# Altium PCB Powerbank.PcbDoc (part 1 of 2) (continued)
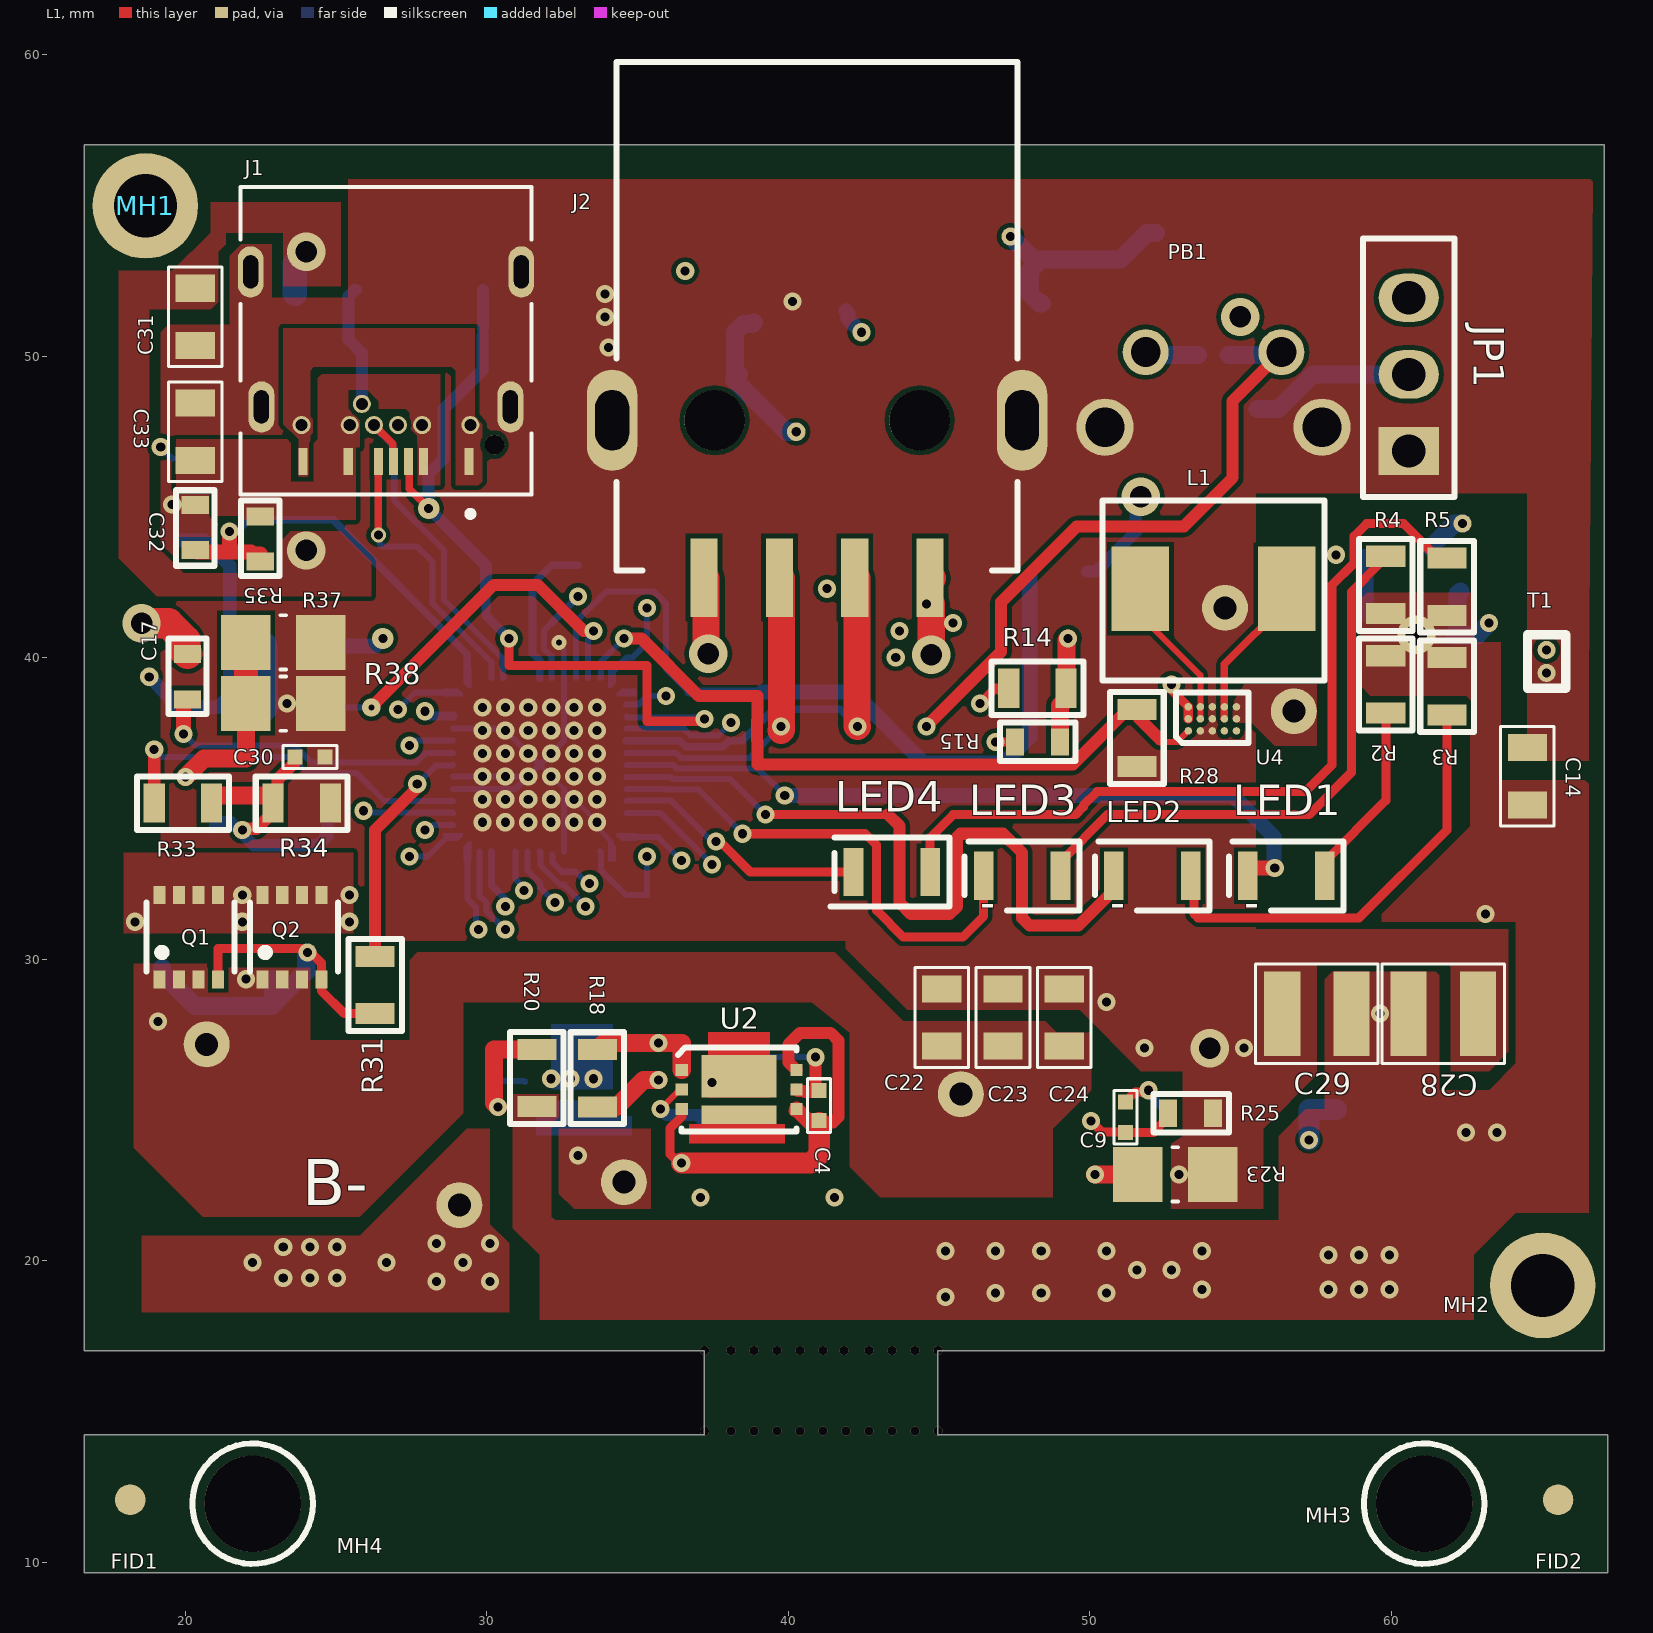
[diagram p0: L1 view]
## Part data (continued)
R12 R19: library part ERJ8CWFR020V, "PANASONIC - ERJ8CWFR020V - SMD Current Sense Resistors, AEC-Q200 ERJ Series, 0.02 ohm, 1 W, - 1% RoHS Compliant: Yes", Case/Package=1206, Case Code (Metric)=3216, Manufacturer 1=Panasonic, Max Operating Temperature=155°C, Max Power Dissipation=1W, Min Operating Temperature=-55°C, Resistance=20mR, Supplier Part Number 1=P0.02BVCT-ND, Temperature Coefficient=75ppm/°C, Tolerance=1%, Case Code (Imperial)=1206, ComponentLink1Description=https://datasheet.ciiva.com/25608/0900766b81107548-25608662.pdf?src-supplier=RSComponents, ComponentLink1URL=https://datasheet.ciiva.com/25608/0900766b81107548-25608662.pdf?src-supplier=RSComponents, ComponentLink2Description=https://datasheet.ciiva.com/7942/1790602-7942325.pdf?src-supplier=Element14, ComponentLink2URL=https://datasheet.ciiva.com/7942/1790602-7942325.pdf?src-supplier=Element14, ComponentLink3Description=https://datasheet.ciiva.com/48532/erj8cw-eng-tds-48532710.pdf?src-supplier=Distrelec, ComponentLink3URL=https://datasheet.ciiva.com/48532/erj8cw-eng-tds-48532710.pdf?src-supplier=Distrelec, ComponentLink4Description=https://datasheet.ciiva.com/6028/1790602-6028444.pdf?src-supplier=Farnell, ComponentLink4URL=https://datasheet.ciiva.com/6028/1790602-6028444.pdf?src-supplier=Farnell, Composition="Thick Film", Depth=1.6mm, Features="Automotive AEC-Q200", Height=0.03inch, Lead Free="Lead Free", Length=0.126inch, Manufacturer Part Number 1=ERJ8CWFR020V, Mount="Surface Mount", Number of Terminations=2, Packaging="Cut Tape", Power Rating=1W, Pricing 1="1=0.59000, 10=0.45200, 100=0.19000, 1000=0.10482, 2500=0.09826 (USD)", REACH SVHC="No SVHC", RoHS=Yes, Stock 1=13226, Supplier 1=Digi-Key, Termination=Flat, Width=0.063inch
R13 R20: library part "680Ohm 1/8 watt", "PANASONIC ELECTRONIC COMPONENTS         ERJ6ENF6800V            Surface Mount Chip Resistor, Thick Film, AEC-Q200 ERJ6E Series, 680 ohm, 125 mW,  1%, 150 V", Case/Package=0805, Case Code (Metric)=2012, Manufacturer 1=Panasonic, Manufacturer Part Number 1=ERJ6ENF6800V, Max Operating Temperature=155°C, Max Power Dissipation=125mW, Min Operating Temperature=-55°C, Package Quantity=1, Resistance=680R, Supplier Part Number 1=P680CCT-ND, Temperature Coefficient=100ppm/°C, Tolerance=1%, Voltage Rating=150V, Case Code (Imperial)=0805, ComponentLink1Description=https://datasheet.ciiva.com/11821/0900766b80f80784-11821688.pdf?src-supplier=RSComponents, ComponentLink1URL=https://datasheet.ciiva.com/11821/0900766b80f80784-11821688.pdf?src-supplier=RSComponents, ComponentLink2Description=https://datasheet.ciiva.com/7944/426256-7944661.pdf?src-supplier=Element14, ComponentLink2URL=https://datasheet.ciiva.com/7944/426256-7944661.pdf?src-supplier=Element14, ComponentLink3Description=https://datasheet.ciiva.com/16787/70260748-16787589.pdf?src-supplier=Allied+Electronics, ComponentLink3URL=https://datasheet.ciiva.com/16787/70260748-16787589.pdf?src-supplier=Allied+Electronics, ComponentLink4Description=https://datasheet.ciiva.com/17205/aoa0000ce2-17205287.pdf?src-supplier=Avnet+Europe, ComponentLink4URL=https://datasheet.ciiva.com/17205/aoa0000ce2-17205287.pdf?src-supplier=Avnet+Europe, ComponentLink5Description=https://datasheet.ciiva.com/7944/426256-7944953.pdf?src-supplier=Element14, ComponentLink5URL=https://datasheet.ciiva.com/7944/426256-7944953.pdf?src-supplier=Element14, ComponentLink6Description=https://datasheet.ciiva.com/5860/426256-5860698.pdf?src-supplier=Farnell, ComponentLink6URL=https://datasheet.ciiva.com/5860/426256-5860698.pdf?src-supplier=Farnell, ComponentLink7Description=https://datasheet.ciiva.com/16512/aoa0000ce2-16512058.pdf?src-supplier=Avnet+Asia, ComponentLink7URL=https://datasheet.ciiva.com/16512/aoa0000ce2-16512058.pdf?src-supplier=Avnet+Asia, ComponentLink8Description=https://datasheet.ciiva.com/9180/aoa0000ce2-9180429.pdf?src-supplier=Avnet, ComponentLink8URL=https://datasheet.ciiva.com/9180/aoa0000ce2-9180429.pdf?src-supplier=Avnet, ComponentLink9Description=https://datasheet.ciiva.com/16757/70260748-16757933.pdf?src-supplier=Allied+Electronics, ComponentLink9URL=https://datasheet.ciiva.com/16757/70260748-16757933.pdf?src-supplier=Allied+Electronics, ComponentLink10Description=https://datasheet.ciiva.com/30107/aoa0000ce2-30107005.pdf?src-supplier=Onlinecomponents.com, ComponentLink10URL=https://datasheet.ciiva.com/30107/aoa0000ce2-30107005.pdf?src-supplier=Onlinecomponents.com, ComponentLink11Description=https://datasheet.ciiva.com/46373/1678782-46373886.pdf?src-supplier=Element14, ComponentLink11URL=https://datasheet.ciiva.com/46373/1678782-46373886.pdf?src-supplier=Element14, ComponentLink12Description=https://datasheet.ciiva.com/46373/1678782-46373887.pdf?src-supplier=Element14, ComponentLink12URL=https://datasheet.ciiva.com/46373/1678782-46373887.pdf?src-supplier=Element14, Composition="Thick Film", Contact Plating=Tin, Depth=1.25mm, Features="Automotive AEC-Q200", Height=0.6mm, Length=2mm, Military Standard=Not, Mount="Surface Mount", Number of Pins=2, Number of Terminations=2, Packaging="Tape and Reel", Power Rating=125mW, Pricing 1="1=0.10000, 10=0.07200, 100=0.02750, 1000=0.01210, 2500=0.01045 (USD)", Radiation Hardening=No, REACH SVHC="No SVHC", RoHS=Yes, Stock 1=52236, Supplier 1=Digi-Key, Termination=SMD/SMT, Width=0.049inch
R14: library part RC0805FR-0710KL, "RES SMD 10K OHM 1% 1/8W 0805", Case/Package=0805, Case Code (Metric)=2012, Manufacturer 1=Yageo, Max Operating Temperature=155°C, Max Power Dissipation=125mW, Min Operating Temperature=-55°C, Package Quantity=1, Resistance=10kR, Supplier Part Number 1=311-10.0KCRCT-ND, Temperature Coefficient=100ppm/°C, Tolerance=1%, Voltage Rating=150V, Case Code (Imperial)=0805, ComponentLink1Description=https://datasheet.ciiva.com/11808/0900766b8106beab-11808151.pdf?src-supplier=RSComponents, ComponentLink1URL=https://datasheet.ciiva.com/11808/0900766b8106beab-11808151.pdf?src-supplier=RSComponents, ComponentLink2Description=https://datasheet.ciiva.com/12669/rc0805-12669688.pdf?src-supplier=Mouser, ComponentLink2URL=https://datasheet.ciiva.com/12669/rc0805-12669688.pdf?src-supplier=Mouser, ComponentLink3Description=https://datasheet.ciiva.com/46447/444164-46447563.pdf?src-supplier=Element14, ComponentLink3URL=https://datasheet.ciiva.com/46447/444164-46447563.pdf?src-supplier=Element14, ComponentLink4Description=https://datasheet.ciiva.com/2456/pyu-r-int-thick-7-2456972.pdf?src-supplier=Digi-Key, ComponentLink4URL=https://datasheet.ciiva.com/2456/pyu-r-int-thick-7-2456972.pdf?src-supplier=Digi-Key, ComponentLink5Description=https://datasheet.ciiva.com/2456/pyu-r-int-thick-7-2456973.pdf?src-supplier=Digi-Key, ComponentLink5URL=https://datasheet.ciiva.com/2456/pyu-r-int-thick-7-2456973.pdf?src-supplier=Digi-Key, ComponentLink6Description=https://datasheet.ciiva.com/2456/pyu-r-int-thick-7-2456974.pdf?src-supplier=Digi-Key, ComponentLink6URL=https://datasheet.ciiva.com/2456/pyu-r-int-thick-7-2456974.pdf?src-supplier=Digi-Key, ComponentLink7Description=https://datasheet.ciiva.com/16747/rc0805-16747087.pdf?src-supplier=Future+Electronics, ComponentLink7URL=https://datasheet.ciiva.com/16747/rc0805-16747087.pdf?src-supplier=Future+Electronics, Composition="Thick Film", Depth=1.25mm, Features="Moisture Resistant", Height=0.024inch, Lead Free="Lead Free", Length=2mm, Manufacturer Part Number 1=RC0805FR-0710KL, Military Standard=Not, Number of Terminations=2, Packaging="Tape and Reel", Power Rating=125mW, Pricing 1="1=0.10000, 10=0.04200, 100=0.01700, 1000=0.00762, 2500=0.00662 (USD)", REACH SVHC=Unknown, RoHS=Yes, Stock 1=38785407, Supplier 1=Digi-Key, Termination=SMD/SMT, Width=0.049inch
R22 R23 R37 R38: library part ERJ-8BWFR010V, "PANASONIC - ERJ-8BWFR010V - SMD Current Sense Resistor, 0.01 ohm, ERJ8B Series, 1206 [3216 Metric], 1 W, ± 1%, Thick Film", Case/Package=1206, Case Code (Metric)=3216, Manufacturer 1=Panasonic, Max Operating Temperature=155°C, Max Power Dissipation=1W, Min Operating Temperature=-55°C, Package Quantity=1, Resistance=10mR, Supplier Part Number 1=P.010AUCT-ND, Temperature Coefficient=200ppm/°C, Tolerance=1%, Case Code (Imperial)=1206, ComponentLink1Description=https://datasheet.ciiva.com/11811/0900766b8126441d-11811746.pdf?src-supplier=RSComponents, ComponentLink1URL=https://datasheet.ciiva.com/11811/0900766b8126441d-11811746.pdf?src-supplier=RSComponents, ComponentLink2Description=https://datasheet.ciiva.com/9194/aoa0000ce3-9194119.pdf?src-supplier=Avnet, ComponentLink2URL=https://datasheet.ciiva.com/9194/aoa0000ce3-9194119.pdf?src-supplier=Avnet, ComponentLink3Description=https://datasheet.ciiva.com/30095/6aoa0000ce3-30095514.pdf?src-supplier=Onlinecomponents.com, ComponentLink3URL=https://datasheet.ciiva.com/30095/6aoa0000ce3-30095514.pdf?src-supplier=Onlinecomponents.com, ComponentLink4Description=https://datasheet.ciiva.com/48532/erj-eng-tds-48532746.pdf?src-supplier=Distrelec, ComponentLink4URL=https://datasheet.ciiva.com/48532/erj-eng-tds-48532746.pdf?src-supplier=Distrelec, ComponentLink5Description=https://datasheet.ciiva.com/2451/aoa0000ce3-2451517.pdf?src-supplier=Digi-Key, ComponentLink5URL=https://datasheet.ciiva.com/2451/aoa0000ce3-2451517.pdf?src-supplier=Digi-Key, ComponentLink6Description=https://datasheet.ciiva.com/2451/aoa0000ce3-2451518.pdf?src-supplier=Digi-Key, ComponentLink6URL=https://datasheet.ciiva.com/2451/aoa0000ce3-2451518.pdf?src-supplier=Digi-Key, ComponentLink7Description=https://datasheet.ciiva.com/17212/aoa0000ce3-17212030.pdf?src-supplier=Avnet+Europe, ComponentLink7URL=https://datasheet.ciiva.com/17212/aoa0000ce3-17212030.pdf?src-supplier=Avnet+Europe, ComponentLink8Description=https://datasheet.ciiva.com/2451/aoa0000ce3-2451519.pdf?src-supplier=Digi-Key, ComponentLink8URL=https://datasheet.ciiva.com/2451/aoa0000ce3-2451519.pdf?src-supplier=Digi-Key, ComponentLink9Description=https://datasheet.ciiva.com/28532/39793-28532991.pdf?src-supplier=Element14, ComponentLink9URL=https://datasheet.ciiva.com/28532/39793-28532991.pdf?src-supplier=Element14, Composition="Thick Film,Low-Ohm-Resistor", Contact Plating=Tin, Depth=1.6mm, Features="Automotive AEC-Q200", Height=0.65mm, Lead Free="Lead Free", Length=3.2mm, Manufacturer Part Number 1=ERJ-8BWFR010V, Military Standard=Not, Mount="Surface Mount", Number of Terminations=2, Packaging="Tape and Reel", Power Rating=1W, Pricing 1="1=0.60000, 10=0.50000, 100=0.33550, 1000=0.19632, 2500=0.19418 (USD)", Radiation Hardening=No, REACH SVHC="No SVHC", RoHS=Yes, Stock 1=16754, Supplier 1=Digi-Key, Termination=SMD/SMT, Width=1.6mm
R24: library part ERJ-6ENF9101V, "Res Thick Film 0805 9.1K Ohm 1% 1/8W +/-100ppm/ßC Molded SMD Punched Carrier T/R", Case/Package=0805, Case Code (Metric)=2012, Manufacturer 1=Panasonic, Max Operating Temperature=155°C, Max Power Dissipation=125mW, Min Operating Temperature=-55°C, Package Quantity=1, Resistance=9.1kR, Supplier Part Number 1=P9.10KCCT-ND, Temperature Coefficient=100ppm/°C, Tolerance=1%, Voltage Rating=150V, Case Code (Imperial)=0805, ComponentLink1Description=https://datasheet.ciiva.com/11821/0900766b80f80784-11821718.pdf?src-supplier=RSComponents, ComponentLink1URL=https://datasheet.ciiva.com/11821/0900766b80f80784-11821718.pdf?src-supplier=RSComponents, ComponentLink2Description=https://datasheet.ciiva.com/16437/aoa0000ce2-16437783.pdf?src-supplier=Future+Electronics, ComponentLink2URL=https://datasheet.ciiva.com/16437/aoa0000ce2-16437783.pdf?src-supplier=Future+Electronics, ComponentLink3Description=https://datasheet.ciiva.com/30163/aoa0000ce2-30163272.pdf?src-supplier=Onlinecomponents.com, ComponentLink3URL=https://datasheet.ciiva.com/30163/aoa0000ce2-30163272.pdf?src-supplier=Onlinecomponents.com, ComponentLink4Description=https://datasheet.ciiva.com/16766/70260748-16766713.pdf?src-supplier=Allied+Electronics, ComponentLink4URL=https://datasheet.ciiva.com/16766/70260748-16766713.pdf?src-supplier=Allied+Electronics, ComponentLink5Description=https://datasheet.ciiva.com/16785/70260748-16785210.pdf?src-supplier=Allied+Electronics, ComponentLink5URL=https://datasheet.ciiva.com/16785/70260748-16785210.pdf?src-supplier=Allied+Electronics, ComponentLink6Description=https://datasheet.ciiva.com/17212/aoa0000ce2-17212221.pdf?src-supplier=Avnet+Europe, ComponentLink6URL=https://datasheet.ciiva.com/17212/aoa0000ce2-17212221.pdf?src-supplier=Avnet+Europe, Composition="Thick Film", Contact Plating=Tin, Depth=1.25mm, Features="Automotive AEC-Q200", Height=0.6mm, Lead Free="Lead Free", Length=2mm, Manufacturer Part Number 1=ERJ-6ENF9101V, Military Standard=Not, Mount="Surface Mount", Number of Terminations=2, Packaging="Tape and Reel", Power Rating=125mW, Pricing 1="1=0.10000, 10=0.07200, 100=0.02750, 1000=0.01210, 2500=0.01045 (USD)", Radiation Hardening=No, REACH SVHC="No SVHC", RoHS=Yes, Stock 1=3180, Supplier 1=Digi-Key, Termination=SMD/SMT, Voltage Rating (DC)=150V, Width=1.2mm
R26: library part ERJ-6ENF1803V, "Thick Film Resistors - SMD 0805 180Kohms 1% AEC-Q200", Case/Package=0805, Case Code (Metric)=2012, Manufacturer 1=Panasonic, Max Operating Temperature=155°C, Max Power Dissipation=125mW, Min Operating Temperature=-55°C, Package Quantity=1, Resistance=180kR, Supplier Part Number 1=P180KCCT-ND, Temperature Coefficient=100ppm/°C, Tolerance=1%, Voltage Rating=150V, Case Code (Imperial)=0805, ComponentLink1Description=https://datasheet.ciiva.com/11821/0900766b80f80784-11821551.pdf?src-supplier=RSComponents, ComponentLink1URL=https://datasheet.ciiva.com/11821/0900766b80f80784-11821551.pdf?src-supplier=RSComponents, ComponentLink2Description=https://datasheet.ciiva.com/16758/70260748-16758997.pdf?src-supplier=Allied+Electronics, ComponentLink2URL=https://datasheet.ciiva.com/16758/70260748-16758997.pdf?src-supplier=Allied+Electronics, ComponentLink3Description=https://datasheet.ciiva.com/7836/426256-7836822.pdf?src-supplier=Element14, ComponentLink3URL=https://datasheet.ciiva.com/7836/426256-7836822.pdf?src-supplier=Element14, ComponentLink4Description=https://datasheet.ciiva.com/7836/426256-7836535.pdf?src-supplier=Element14, ComponentLink4URL=https://datasheet.ciiva.com/7836/426256-7836535.pdf?src-supplier=Element14, ComponentLink5Description=https://datasheet.ciiva.com/9185/aoa0000ce2-9185015.pdf?src-supplier=Avnet, ComponentLink5URL=https://datasheet.ciiva.com/9185/aoa0000ce2-9185015.pdf?src-supplier=Avnet, ComponentLink6Description=https://datasheet.ciiva.com/46398/1678782-46398137.pdf?src-supplier=Element14, ComponentLink6URL=https://datasheet.ciiva.com/46398/1678782-46398137.pdf?src-supplier=Element14, ComponentLink7Description=https://datasheet.ciiva.com/5915/426256-5915338.pdf?src-supplier=Farnell, ComponentLink7URL=https://datasheet.ciiva.com/5915/426256-5915338.pdf?src-supplier=Farnell, ComponentLink8Description=https://datasheet.ciiva.com/17207/aoa0000ce2-17207210.pdf?src-supplier=Avnet+Europe, ComponentLink8URL=https://datasheet.ciiva.com/17207/aoa0000ce2-17207210.pdf?src-supplier=Avnet+Europe, ComponentLink9Description=https://datasheet.ciiva.com/28568/1678782-28568746.pdf?src-supplier=Element14, ComponentLink9URL=https://datasheet.ciiva.com/28568/1678782-28568746.pdf?src-supplier=Element14, ComponentLink10Description=https://datasheet.ciiva.com/46398/1678782-46398138.pdf?src-supplier=Element14, ComponentLink10URL=https://datasheet.ciiva.com/46398/1678782-46398138.pdf?src-supplier=Element14, ComponentLink11Description=https://datasheet.ciiva.com/22681/1678782-22681691.pdf?src-supplier=Element14, ComponentLink11URL=https://datasheet.ciiva.com/22681/1678782-22681691.pdf?src-supplier=Element14, ComponentLink12Description=https://datasheet.ciiva.com/16780/70260748-16780877.pdf?src-supplier=Allied+Electronics, ComponentLink12URL=https://datasheet.ciiva.com/16780/70260748-16780877.pdf?src-supplier=Allied+Electronics, ComponentLink13Description=https://datasheet.ciiva.com/30187/aoa0000ce2-30187757.pdf?src-supplier=Onlinecomponents.com, ComponentLink13URL=https://datasheet.ciiva.com/30187/aoa0000ce2-30187757.pdf?src-supplier=Onlinecomponents.com, ComponentLink14Description=https://datasheet.ciiva.com/24024/aoa0000ce2-24024447.pdf?src-supplier=Mouser, ComponentLink14URL=https://datasheet.ciiva.com/24024/aoa0000ce2-24024447.pdf?src-supplier=Mouser, Composition="Thick Film", Contact Plating=Tin, Depth=1.25mm, Features="Automotive AEC-Q200", Height=0.6mm, Length=2mm, Manufacturer Part Number 1=ERJ-6ENF1803V, Military Standard=Not, Mount="Surface Mount", Number of Pins=2, Number of Terminations=2, Packaging="Tape and Reel", Power Rating=125mW, Pricing 1="1=0.10000, 10=0.08500, 100=0.03290, 1000=0.01445, 2500=0.01248 (USD)", Radiation Hardening=No, REACH SVHC="No SVHC", RoHS=Yes, Stock 1=39178, Supplier 1=Digi-Key, Termination=SMD/SMT, Voltage Rating (DC)=150V, Width=0.049inch
R27: library part RC0805FR-072K2L, "RESISTOR, THICK FILM, 2.2KOHM, 125mW, 1%, FULL REEL", Case/Package=0805, Case Code (Metric)=2012, Manufacturer 1=Yageo, Max Operating Temperature=155°C, Max Power Dissipation=125mW, Min Operating Temperature=-55°C, Package Quantity=1, Resistance=2.2kR, Supplier Part Number 1=311-2.20KCRCT-ND, Temperature Coefficient=100ppm/°C, Tolerance=1%, Voltage Rating=150V, Case Code (Imperial)=0805, ComponentLink1Description=https://datasheet.ciiva.com/7660/38627-7660800.pdf?src-supplier=Element14, ComponentLink1URL=https://datasheet.ciiva.com/7660/38627-7660800.pdf?src-supplier=Element14, ComponentLink2Description=https://datasheet.ciiva.com/11808/0900766b8106beab-11808373.pdf?src-supplier=RSComponents, ComponentLink2URL=https://datasheet.ciiva.com/11808/0900766b8106beab-11808373.pdf?src-supplier=RSComponents, ComponentLink3Description=https://datasheet.ciiva.com/46447/444164-46447575.pdf?src-supplier=Element14, ComponentLink3URL=https://datasheet.ciiva.com/46447/444164-46447575.pdf?src-supplier=Element14, ComponentLink4Description=https://datasheet.ciiva.com/2457/pyu-r-int-thick-7-2457002.pdf?src-supplier=Digi-Key, ComponentLink4URL=https://datasheet.ciiva.com/2457/pyu-r-int-thick-7-2457002.pdf?src-supplier=Digi-Key, ComponentLink5Description=https://datasheet.ciiva.com/7941/444164-7941754.pdf?src-supplier=Element14, ComponentLink5URL=https://datasheet.ciiva.com/7941/444164-7941754.pdf?src-supplier=Element14, ComponentLink6Description=https://datasheet.ciiva.com/2457/pyu-r-int-thick-7-2457003.pdf?src-supplier=Digi-Key, ComponentLink6URL=https://datasheet.ciiva.com/2457/pyu-r-int-thick-7-2457003.pdf?src-supplier=Digi-Key, ComponentLink7Description=https://datasheet.ciiva.com/7941/444164-7941755.pdf?src-supplier=Element14, ComponentLink7URL=https://datasheet.ciiva.com/7941/444164-7941755.pdf?src-supplier=Element14, ComponentLink8Description=https://datasheet.ciiva.com/2457/pyu-r-int-thick-7-2457004.pdf?src-supplier=Digi-Key, ComponentLink8URL=https://datasheet.ciiva.com/2457/pyu-r-int-thick-7-2457004.pdf?src-supplier=Digi-Key, ComponentLink9Description=https://datasheet.ciiva.com/46412/444164-46412862.pdf?src-supplier=Element14, ComponentLink9URL=https://datasheet.ciiva.com/46412/444164-46412862.pdf?src-supplier=Element14, Composition="Thick Film", Depth=1.25mm, Features="Moisture Resistant", Height=0.5mm, Lead Free="Lead Free", Lead Pitch=0.4mm, Length=2mm, Manufacturer Part Number 1=RC0805FR-072K2L, Military Standard=Not, Number of Pins=2, Number of Terminations=2, Packaging="Tape and Reel", Power Rating=125mW, Pricing 1="1=0.10000, 10=0.03900, 100=0.01570, 1000=0.00705, 2500=0.00612 (USD)", REACH SVHC=Unknown, RoHS=Yes, Stock 1=3046359, Supplier 1=Digi-Key, Termination=SMD/SMT, Voltage Rating (DC)=150V, Width=1.25mm
R29: library part ERJ-6GEYJ154V, "RES SMD 150K OHM 5% 1/8W 0805", Case/Package=0805, Case Code (Metric)=2012, Manufacturer 1=Panasonic, Max Operating Temperature=155°C, Max Power Dissipation=125mW, Min Operating Temperature=-55°C, Package Quantity=5000, Resistance=150kR, Supplier Part Number 1=P150KACT-ND, Temperature Coefficient=200ppm/°C, Tolerance=5%, Voltage Rating=150V, Case Code (Imperial)=0805, ComponentLink1Description=https://datasheet.ciiva.com/3882/41790015s9557575n1386-3882896.pdf?src-supplier=Arrow+Electronics, ComponentLink1URL=https://datasheet.ciiva.com/3882/41790015s9557575n1386-3882896.pdf?src-supplier=Arrow+Electronics, ComponentLink2Description=https://datasheet.ciiva.com/17207/aoa0000ce1-17207480.pdf?src-supplier=Avnet+Europe, ComponentLink2URL=https://datasheet.ciiva.com/17207/aoa0000ce1-17207480.pdf?src-supplier=Avnet+Europe, ComponentLink3Description=https://datasheet.ciiva.com/43460/1500035-43460137.pdf?src-supplier=Farnell, ComponentLink3URL=https://datasheet.ciiva.com/43460/1500035-43460137.pdf?src-supplier=Farnell, ComponentLink4Description=https://datasheet.ciiva.com/46373/1500035-46373995.pdf?src-supplier=Element14, ComponentLink4URL=https://datasheet.ciiva.com/46373/1500035-46373995.pdf?src-supplier=Element14, ComponentLink5Description=https://datasheet.ciiva.com/16781/70255313-16781804.pdf?src-supplier=Allied+Electronics, ComponentLink5URL=https://datasheet.ciiva.com/16781/70255313-16781804.pdf?src-supplier=Allied+Electronics, ComponentLink6Description=https://datasheet.ciiva.com/28691/1678796-28691981.pdf?src-supplier=Element14, ComponentLink6URL=https://datasheet.ciiva.com/28691/1678796-28691981.pdf?src-supplier=Element14, ComponentLink7Description=https://datasheet.ciiva.com/16516/aoa0000ce1-16516415.pdf?src-supplier=Avnet+Asia, ComponentLink7URL=https://datasheet.ciiva.com/16516/aoa0000ce1-16516415.pdf?src-supplier=Avnet+Asia, Composition="Thick Film", Contact Plating=Tin, Depth=1.25mm, Height=0.028inch, Lead Free="Lead Free", Length=2mm, Manufacturer Part Number 1=ERJ-6GEYJ154V, Military Standard=Not, Mount="Surface Mount", Number of Terminations=2, Packaging="Tape and Reel", Power Rating=125mW, Pricing 1="1=0.10000, 10=0.05200, 100=0.02120, 1000=0.00954, 2500=0.00828 (USD)", Radiation Hardening=No, REACH SVHC="No SVHC", RoHS=Yes, Stock 1=100014, Supplier 1=Digi-Key, Termination=SMD/SMT, Voltage Rating (DC)=150V, Width=0.049inch
R31 R33: library part RC0805JR-070RL, "RES SMD 0 OHM JUMPER 1/8W 0805", Case/Package=0805, Case Code (Metric)=2012, Manufacturer 1=Yageo, Max Operating Temperature=155°C, Min Operating Temperature=-55°C, Power Rating=125mW, Resistance=0mR, Supplier Part Number 1=311-0.0ARCT-ND, Temperature Coefficient=200ppm/°C, Tolerance=5%, Voltage Rating=150V, Case Code (Imperial)=0805, ComponentLink1Description=https://datasheet.ciiva.com/7941/1738694-7941861.pdf?src-supplier=Element14, ComponentLink1URL=https://datasheet.ciiva.com/7941/1738694-7941861.pdf?src-supplier=Element14, ComponentLink2Description=https://datasheet.ciiva.com/11819/0900766b8106beab-11819430.pdf?src-supplier=RSComponents, ComponentLink2URL=https://datasheet.ciiva.com/11819/0900766b8106beab-11819430.pdf?src-supplier=RSComponents, ComponentLink3Description=https://datasheet.ciiva.com/7941/1738694-7941862.pdf?src-supplier=Element14, ComponentLink3URL=https://datasheet.ciiva.com/7941/1738694-7941862.pdf?src-supplier=Element14, ComponentLink4Description=https://datasheet.ciiva.com/7941/1738694-7941863.pdf?src-supplier=Element14, ComponentLink4URL=https://datasheet.ciiva.com/7941/1738694-7941863.pdf?src-supplier=Element14, ComponentLink5Description=https://datasheet.ciiva.com/15190/getdatasheetpartid-330685-15190028.pdf?src-supplier=Verical, ComponentLink5URL=https://datasheet.ciiva.com/15190/getdatasheetpartid-330685-15190028.pdf?src-supplier=Verical, Composition="Thick Film", Contact Plating=Tin,Matte, Depth=1.25mm, Height=0.5mm, Lead Free="Lead Free", Length=2mm, Manufacturer Part Number 1=RC0805JR-070RL, Military Standard=Not, Number of Pins=2, Packaging="Tape and Reel", Pricing 1="1=0.10000, 10=0.03900, 25=0.02840, 50=0.02160, 100=0.01590, 250=0.01216, 500=0.00972, 1000=0.00716 (USD)", Radiation Hardening=No, REACH SVHC=Unknown, RoHS=Yes, Stock 1=14217042, Supplier 1=Digi-Key, Termination=SMD/SMT, Voltage Rating (DC)=150V, Width=1.25mm
R32 R36: library part ERJ-6GEYJ514V, "RES SMD 510K OHM 5% 1/8W 0805", Case/Package=0805, Case Code (Metric)=2012, Manufacturer 1=Panasonic, Max Operating Temperature=155°C, Max Power Dissipation=125mW, Min Operating Temperature=-55°C, Package Quantity=5000, Resistance=510kR, Supplier Part Number 1=P510KACT-ND, Temperature Coefficient=200ppm/°C, Tolerance=5%, Voltage Rating=150V, Case Code (Imperial)=0805, ComponentLink1Description=https://datasheet.ciiva.com/30081/4aoa0000ce1-30081333.pdf?src-supplier=Onlinecomponents.com, ComponentLink1URL=https://datasheet.ciiva.com/30081/4aoa0000ce1-30081333.pdf?src-supplier=Onlinecomponents.com, ComponentLink2Description=https://datasheet.ciiva.com/24163/aoa0000ce1-37422-24163640.pdf?src-supplier=Mouser, ComponentLink2URL=https://datasheet.ciiva.com/24163/aoa0000ce1-37422-24163640.pdf?src-supplier=Mouser, ComponentLink3Description=https://datasheet.ciiva.com/43469/1678796-43469657.pdf?src-supplier=Farnell, ComponentLink3URL=https://datasheet.ciiva.com/43469/1678796-43469657.pdf?src-supplier=Farnell, ComponentLink4Description=https://datasheet.ciiva.com/16767/70255313-16767419.pdf?src-supplier=Allied+Electronics, ComponentLink4URL=https://datasheet.ciiva.com/16767/70255313-16767419.pdf?src-supplier=Allied+Electronics, ComponentLink5Description=https://datasheet.ciiva.com/16771/70255313-16771371.pdf?src-supplier=Allied+Electronics, ComponentLink5URL=https://datasheet.ciiva.com/16771/70255313-16771371.pdf?src-supplier=Allied+Electronics, ComponentLink6Description=https://datasheet.ciiva.com/9181/aoa0000ce1-9181469.pdf?src-supplier=Avnet, ComponentLink6URL=https://datasheet.ciiva.com/9181/aoa0000ce1-9181469.pdf?src-supplier=Avnet, ComponentLink7Description=https://datasheet.ciiva.com/8081/aoa0000ce1-8081327.pdf?src-supplier=Element14, ComponentLink7URL=https://datasheet.ciiva.com/8081/aoa0000ce1-8081327.pdf?src-supplier=Element14, Composition="Thick Film", Contact Plating=Tin, Depth=1.25mm, Height=0.6mm, Lead Free="Contains Lead", Length=2mm, Manufacturer Part Number 1=ERJ-6GEYJ514V, Military Standard=Not, Mount="Surface Mount", Number of Terminations=2, Packaging="Tape and Reel", Power Rating=125mW, Pricing 1="1=0.10000, 10=0.05200, 100=0.02120, 1000=0.00954, 2500=0.00828 (USD)", REACH SVHC="No SVHC", RoHS=Yes, Stock 1=14917, Supplier 1=Digi-Key, Termination=SMD/SMT, Voltage Rating (DC)=150V, Weight=0.000194oz, Width=0.049inch
T1: library part RL0503-5820-97-MS, "Thermistor, High Sensitivity, NTC, Res 10 Kilohms, Tol +/-2%, Radial, Disc, TC 15Sec.", Case/Package=Radial, Manufacturer 1="Amphenol Advanced Sensors", Max Operating Temperature=150°C, Min Operating Temperature=-50°C, Package Quantity=500, Resistance=10kR, Supplier Part Number 1=KC003T-ND, Tolerance=2%, Accuracy=1%, ComponentLink1Description=https://datasheet.ciiva.com/29856/aas-920-574a-thermometrics-ntc-type-ms-032114-web-29856981.pdf?src-supplier=Digi-Key, ComponentLink1URL=https://datasheet.ciiva.com/29856/aas-920-574a-thermometrics-ntc-type-ms-032114-web-29856981.pdf?src-supplier=Digi-Key, ComponentLink2Description=https://datasheet.ciiva.com/46652/70181330-46652421.pdf?src-supplier=Allied+Electronics, ComponentLink2URL=https://datasheet.ciiva.com/46652/70181330-46652421.pdf?src-supplier=Allied+Electronics, ComponentLink3Description=http://datasheet.octopart.com/RL0503-5820-97-MS-Amphenol-Advanced-Sensors-datasheet-32780836.pdf?src-supplier=Newark, ComponentLink3URL=http://datasheet.octopart.com/RL0503-5820-97-MS-Amphenol-Advanced-Sensors-datasheet-32780836.pdf?src-supplier=Newark, ComponentLink4Description=http://datasheet.octopart.com/RL0503-5820-97-MS-Amphenol-Advanced-Sensors-datasheet-11518288.pdf?src-supplier=Allied+Electronics, ComponentLink4URL=http://datasheet.octopart.com/RL0503-5820-97-MS-Amphenol-Advanced-Sensors-datasheet-11518288.pdf?src-supplier=Allied+Electronics, ComponentLink5Description=http://datasheet.octopart.com/RL0503-5820-97-MS-Amphenol-Advanced-Sensors-datasheet-28575.pdf?src-supplier=Farnell, ComponentLink5URL=http://datasheet.octopart.com/RL0503-5820-97-MS-Amphenol-Advanced-Sensors-datasheet-28575.pdf?src-supplier=Farnell, ComponentLink6Description=http://datasheet.octopart.com/RL0503-5820-97-MS-Amphenol-Advanced-Sensors-datasheet-556659.pdf?src-supplier=Future+Electronics, ComponentLink6URL=http://datasheet.octopart.com/RL0503-5820-97-MS-Amphenol-Advanced-Sensors-datasheet-556659.pdf?src-supplier=Future+Electronics, Diameter=2.41mm, Lead Free="Lead Free", Lead Pitch=5.08mm, Length=28.7mm, Manufacturer Part Number 1=RL0503-5820-97-MS, Mount="Free Hanging", Number of Pins=2, Packaging=Bulk, Pricing 1="1=2.02000, 5=1.91400, 10=1.64100, 25=1.31280, 50=1.20340, 100=1.09400, 500=0.95726, 1000=0.84785, 5000=0.79315 (USD)", REACH SVHC="No SVHC", Stock 1=40880, Supplier 1=Digi-Key, Termination=Radial, Width=6.35mm
U1: "Power Bank Controller, USB Type-C & Quick Charge™ 3.0, for 1-Cell Li-Ion and Li-Poly Battery", Manufacturer 1="ON Semiconductor", ComponentLink1Description=http://www.onsemi.com/pub/Collateral/LC709511F-D.PDF?src-supplier=Digi-Key, ComponentLink1URL=http://www.onsemi.com/pub/Collateral/LC709511F-D.PDF?src-supplier=Digi-Key, Manufacturer Part Number 1=LC709511FQD-A00TWG, Pricing 1="1=3.15600, 10=3.08000, 25=3.03900, 100=2.89000, 250=2.86400, 500=2.83690, 1000=2.81000, 3000=3.45600, 30000=3.42400, 300000=3.22800, 1500000=3.10500, 3000000=3.10300 (USD)", RoHS=No, Stock 1=2696, Supplier 1=Arrow, Supplier Part Number 1=LC709511FQD-A00TWG
U2 U3: "IC BATT PROTECTION LI-ION 6WDFN", Manufacturer 1="ON Semiconductor", Max Operating Temperature=85°C, Max Power Dissipation=350mW, Min Operating Temperature=-40°C, Operating Supply Current=3uA, Operating Supply Voltage=4.5V, Package Quantity=4000, Supplier Part Number 1=LC05111C02MTTTGOSCT-ND, ComponentLink1Description=http://www.mouser.com/ds/2/308/LC05111CMT-D-522471.pdf?src-supplier=Mouser, ComponentLink1URL=http://www.mouser.com/ds/2/308/LC05111CMT-D-522471.pdf?src-supplier=Mouser, ComponentLink2Description=http://www.alliedelec.com/images/products/datasheets/bm/ON_SEMICONDUCTOR/70547338.pdf?src-supplier=Allied+Electronics, ComponentLink2URL=http://www.alliedelec.com/images/products/datasheets/bm/ON_SEMICONDUCTOR/70547338.pdf?src-supplier=Allied+Electronics, ComponentLink3Description=http://www.farnell.com/datasheets/2255349.pdf?src-supplier=Farnell, ComponentLink3URL=http://www.farnell.com/datasheets/2255349.pdf?src-supplier=Farnell, ComponentLink4Description=http://www.onsemi.com/pub/Collateral/ENA2338-D.PDF?src-supplier=Avnet, ComponentLink4URL=http://www.onsemi.com/pub/Collateral/ENA2338-D.PDF?src-supplier=Avnet, ComponentLink5Description=http://www.onsemi.com/pub/Collateral/LC05111CMT-D.PDF?src-supplier=Digi-Key, ComponentLink5URL=http://www.onsemi.com/pub/Collateral/LC05111CMT-D.PDF?src-supplier=Digi-Key, Fault Protection="Over Current", Height=0.8mm, Lead Free="Lead Free", Length=4mm, Manufacturer Part Number 1=LC05111C02MTTTG, Mount="Surface Mount", Number of Cells=1, Number of Pins=6, Packaging="Tape and Reel", Pricing 1="1=1.16000, 10=1.03300, 25=0.98000, 100=0.75250, 250=0.66500, 500=0.63000, 1000=0.49000 (USD)", Radiation Hardening=No, RoHS=Yes, Stock 1=2451, Supplier 1=Digi-Key, Width=2.6mm
U4: library part TPS63811YFFR, "Switching mode BUCK/BOOST IC", Manufacturer 1="Texas Instruments", Supplier Part Number 1=296-TPS63811YFFRCT-ND, Manufacturer Part Number 1=TPS63811YFFR, Pricing 1="1=2.73000, 10=2.45100, 25=2.31760, 100=1.90550, 250=1.70980, 500=1.64800, 1000=1.36990 (USD)", RoHS=No, Stock 1=680, Supplier 1=Digi-Key

## Free pads (board coordinates)
  round 1.524 hole 0.762: 3(29.083,21.844) 5(56.769,38.227) 8(20.701,27.178) 9(45.72,25.527) 12(54.483,41.656) 15(34.544,22.606)

## Via types
v1: diameter 0.6, hole 0.3, L1 to L4, tented both sides, 162 vias
v2: diameter 0.3, hole 0.3, L1 to L4, tented both sides, 22 vias
v3: diameter 1.27, hole 0.711, L1 to L4, tented both sides, 8 vias
v4: diameter 0.7, hole 0.3, L1 to L4, tented both sides, 2 vias
v5: diameter 0.5, hole 0.3, L1 to L4, tented both sides, 1 vias
v6: diameter 0.6, hole 0.2, L1 to L4, tented both sides, 1 vias
v7: diameter 1.27/1.27/1.27/1.27 (per signal layer), hole 0.711, L1 to L4, tented both sides, 1 vias
v8: diameter 0.5, hole 0.2, L1 to L4, tented both sides, 1 vias

## Nets (pads, with @x,y where several pads share a name; then routed paths per layer and width w, separated by ;. In a path a pad name is that pad's centre, name@x,y a point inside that pad or via, vN(x,y) a via of type N, cw(c..) or ccw(c..) an arc to the next point about the centre after c; other vN are vias at no path point)
2nd_BOOST: C11.2 C12.2 C13.2 pad.5 Q3.S R29.2 R32.2 U4.VOUT | length 15.4
  L1 w0.2: pad.5@56.642,38.227 pad.5@56.769,38.227 pad.5@56.801,38.227
  L3 w0.9: v3(54.991,51.308) v3(54.991,51.308) 54.99,45.34 56.769,43.561 56.769,43.417 ; pad.5@56.769,38.227 56.769,43.417 ; v1(58.166,43.417) 56.769,43.417
B+: B+.1 C14.2 C28.2 C29.2 D1.2 D4.2 L3.2 R2.2 R3.2 R4.2 R5.2 R13.2 R16.2 R20.2 U4.VIN | length 1.4
  L1 w0.3: v1(52.705,39.116) 52.705,38.932 U4.VIN@53.264,38.373 U4.VIN@53.264,37.973
  other v1: 45.212,18.796 46.863,18.923 48.387,18.923 50.546,18.923 53.721,19.05 57.912,19.05 58.928,19.05 59.944,19.05 51.562,19.685 52.705,19.685 57.912,20.193 58.928,20.193 59.944,20.193 45.212,20.32 46.863,20.32 48.387,20.32 50.546,20.32 53.721,20.32 62.484,24.257 63.5,24.257 59.627,28.194 63.119,31.496
  other v7: 60.833,40.767
B-: B-.1 C4.1 C8.1 pad.3 pad.15 U2.3 U2.4 U2.6 U3.3 U3.4 U3.6 | length 15.2
  L1 w0.2: U2.6@40.186,26.251 U2.6@40.262,26.327
  L1 w0.3: v1@36.462,23.361 36.399,23.298 36.31,23.298 36.072,23.536 36.068,23.536 36.068,24.384 36.462,24.778 U2.3@36.462,25.027
  L1 w0.4: U2.4@40.206,24.971 U2.4@40.262,25.027 ; U2.6@40.262,26.327 40.005,26.583 40.005,27.178 40.386,27.559 41.402,27.559 41.656,27.305 41.656,24.765 41.481,24.59 41.021,24.59 40.698,24.59
  L1 w0.5: U2.4@40.262,25.027 40.698,24.59
  L1 w0.7: v1(36.449,23.241) 40.743,23.241 41.021,23.519 C4.1@41.021,24.59
  other v1: 28.321,19.304 30.099,19.304 23.241,19.431 24.13,19.431 25.019,19.431 22.225,19.939 26.67,19.939 29.21,19.939 23.241,20.447 24.13,20.447 25.019,20.447 28.321,20.574 30.099,20.574 37.084,22.098 41.529,22.098 33.02,23.495
BOOST_EN: R28.2 U1.12 U4.EN | length 25.4
  L1 w0.2: 52.324,37.296 52.324,37.211 52.902,37.211 U4.EN@53.264,37.573
  L1 w0.4: v1(34.544,40.64) 35.124,40.64 37.029,38.735 38.971,38.735 38.971,37.943 38.951,37.923 38.951,37.261 38.977,37.235 38.977,36.461 49.434,36.461 49.484,36.511 ; 49.485,36.511 51.328,38.354 R28.2@51.635,38.354 ; R28.2@51.943,38.354 R28.2@51.635,38.354 ; 52.324,37.296 51.635,37.985 R28.2@51.635,38.354
  L4 w0.2: U1.12@33.75,39.324 33.775,39.349 33.775,39.871 v1(34.544,40.64)
CC1A: C6.2 D3.1 J1.A5 U1.16 | length 26.9
  L1 w0.254: J1.A5@27.398,46.512 27.421,46.489 27.421,45.604 v4(28.067,44.958)
  L1 w0.3: v1(30.734,40.64) 30.734,39.751 35.306,39.751 35.306,37.895 37.211,37.895 v1(37.211,37.973)
  L4 w0.2: U1.16@34.625,38.049 34.65,38.024 37.16,38.024 v1(37.211,37.973)
  L4 w0.3: 29.972,42.164 29.972,41.402 v1(30.734,40.64)
  L4 w0.4: C6.2@29.845,50.696 29.845,49.53 28.575,48.26 28.553,48.26 28.553,46.587 28.067,46.101 v4(28.067,44.958) 29.972,43.053 29.972,42.164 ; C6.2@29.87,50.913 D3.1@29.87,52.197
CC2A: C5.2 D2.1 J1.B5 U1.17 | length 28.9
  L2 w0.4: J1.B5@25.848,48.422 28.102,48.422 28.848,47.676 28.848,46.336 31.115,44.069 34.29,44.069 35.956,42.403 35.956,40.655 35.291,39.99 35.291,38.466 36.434,37.323 37.577,37.323 v1(38.1,37.846)
  L4 w0.2: U1.17@34.625,37.649 36.531,37.649 36.757,37.423 37.674,37.423 38.097,37.846 v1(38.1,37.846)
  L4 w0.4: D2.1@25.654,52.197 25.614,52.197 25.412,51.995 C5.2@25.412,50.546 25.848,50.11 J1.B5@25.848,48.422
D+: J2.3 U1.19 | length 10.7
  L1 w0.9: v1@39.751,37.592 39.771,37.612 J2.3@39.771,42.638
  L4 w0.2: U1.19@34.625,36.849 36.271,36.849 36.321,36.799 36.447,36.673 38.705,36.673 v1(39.751,37.719)
D-: J2.2 U1.18 | length 13.4
  L1 w0.9: J2.2@42.271,42.638 42.271,37.739 v1(42.291,37.719)
  L4 w0.25: U1.18@34.625,37.249 36.401,37.249 36.602,37.048 37.83,37.048 38.031,37.249 38.468,37.249 39.513,38.294 41.716,38.294 v1(42.291,37.719)
DN_C: J1.A7 J1.B7 U1.3 | length 13.4
  L1 w0.254: v5(26.394,44.069) 26.394,46.508 J1.A7@26.398,46.512
  L3 w0.254: v5(26.394,44.069) 27.048,44.723 J1.B7@27.048,47.722
  L4 w0.2: v5(26.394,44.069) 26.452,44.012 26.452,43.748 26.511,43.688 27.686,43.688 28.194,43.18 28.194,41.808 30.15,39.852 U1.3@30.15,39.324